# KiCad board MB1635_good_conversion.kicad_pcb (continued)
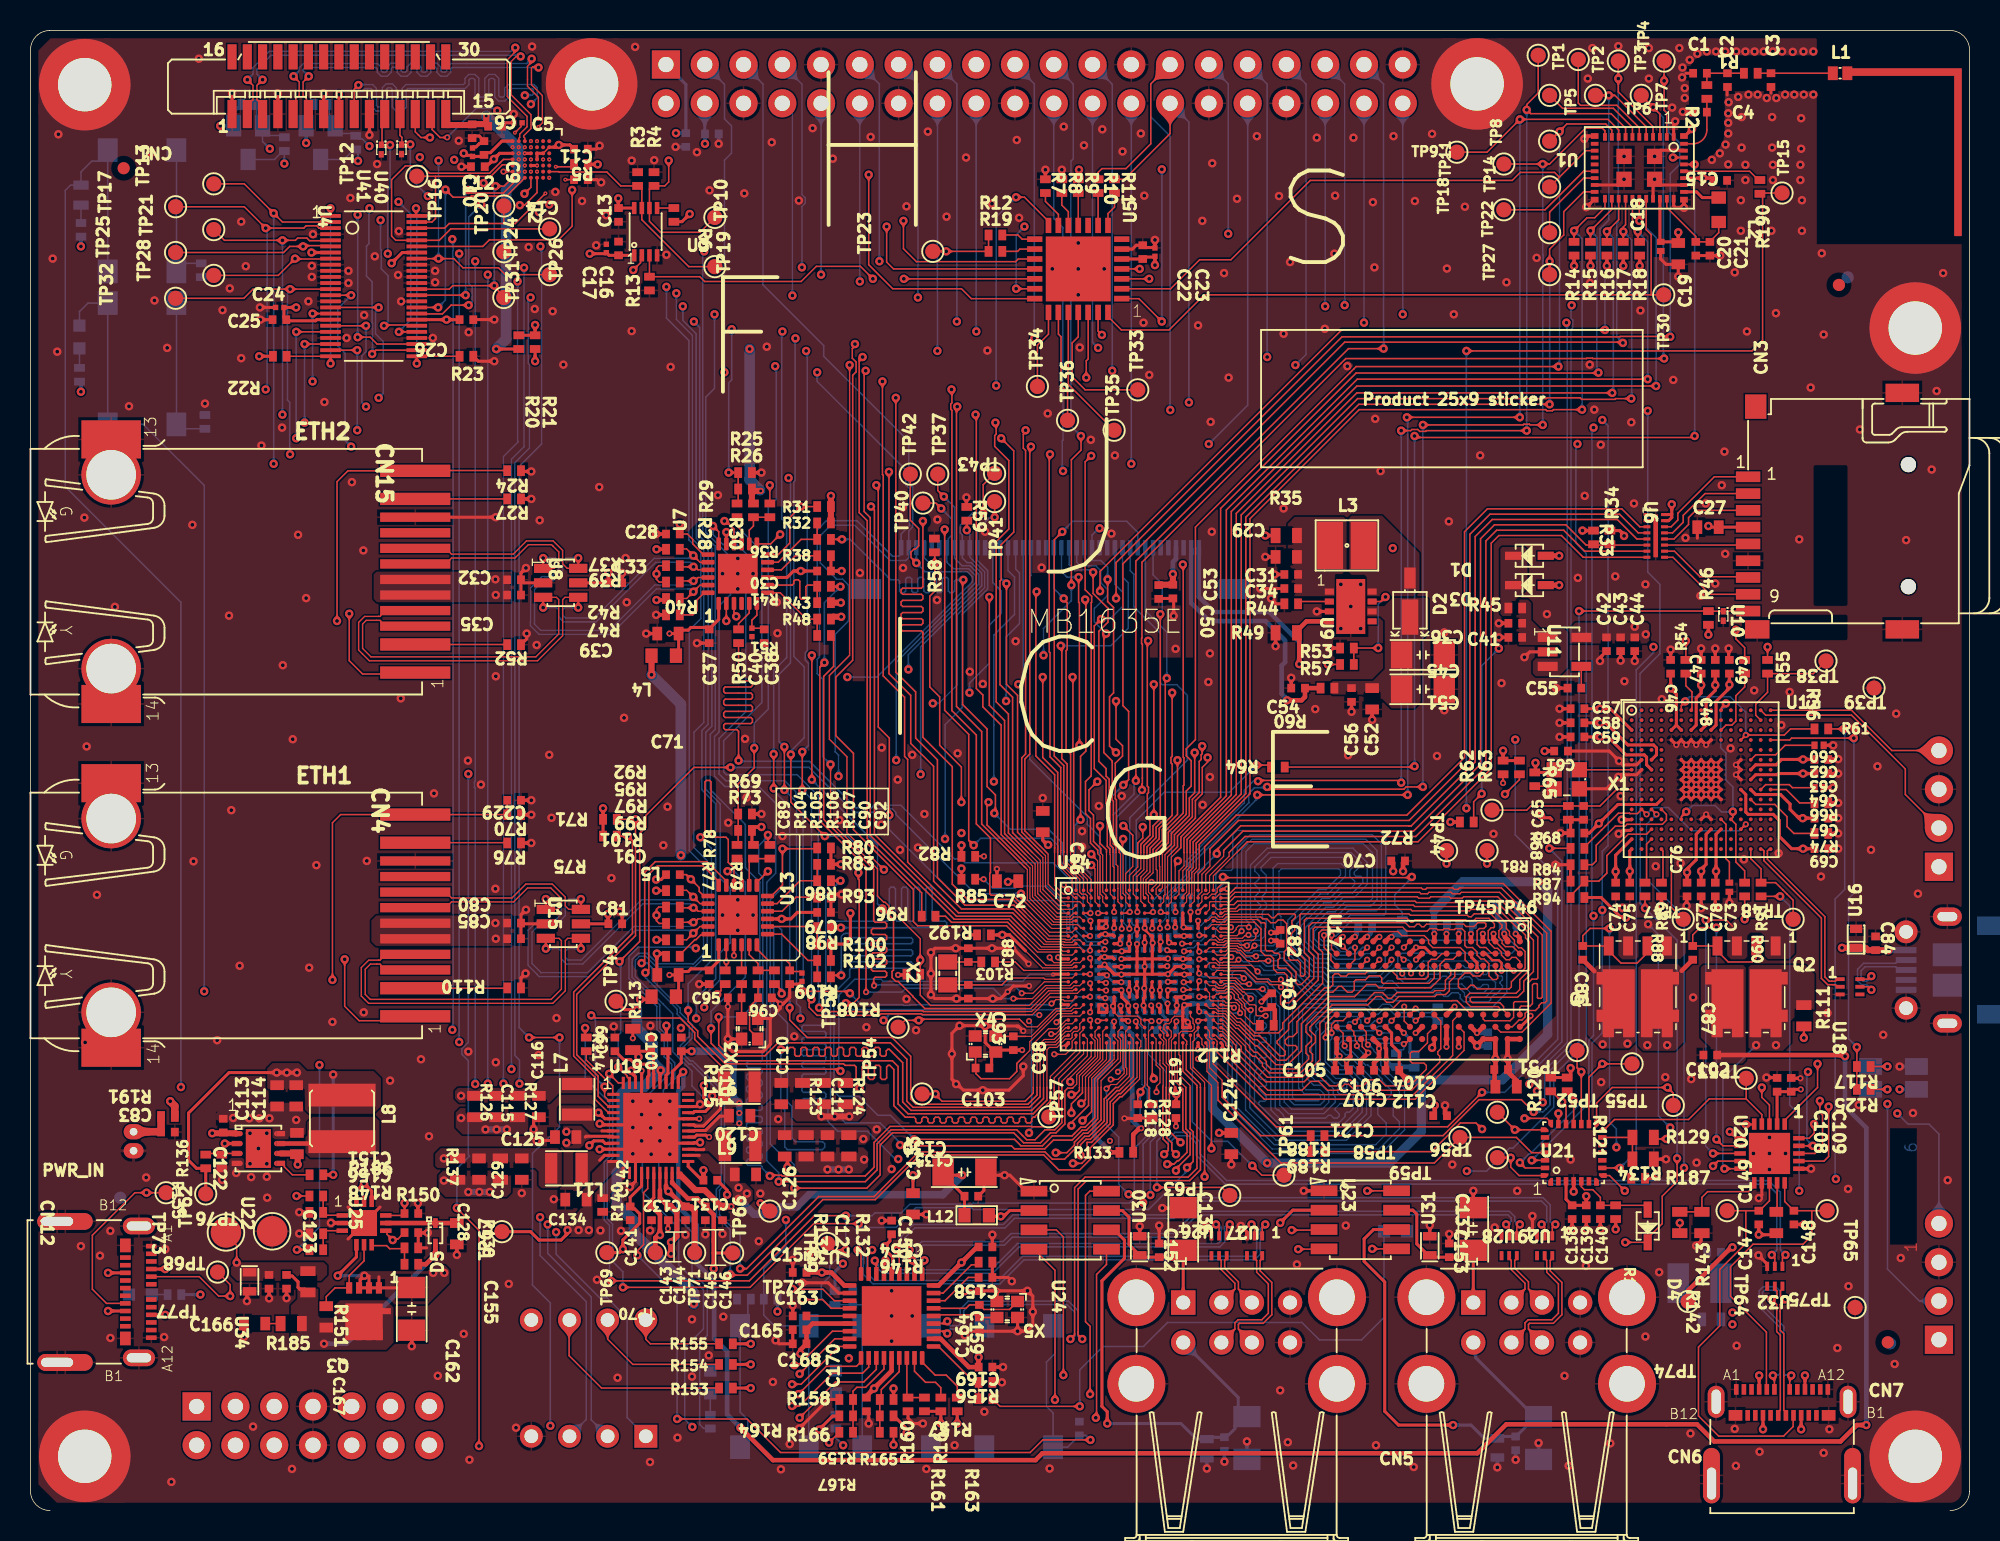
[diagram p0: board, top side]
## Placement (name value [footprint] x y rotation side) (continued)
TP22  Test Point  [_Subversion_Altium_Designer_Library_Trunk_MCD_PARTS_MISC.PcbLib_TP_SMD_1MM]  99.5 83.75 90 top
TP23  Test Point  [_Subversion_Altium_Designer_Library_Trunk_MCD_PARTS_MISC.PcbLib_TP_SMD_1MM]  59.1 82.53 90 top
TP24  Test Point  [_Subversion_Altium_Designer_Library_Trunk_MCD_PARTS_MISC.PcbLib_TP_SMD_1MM]  31 82.5 90 top
TP25  Test Point  [_Subversion_Altium_Designer_Library_Trunk_MCD_PARTS_MISC.PcbLib_TP_SMD_1MM]  9.5 82.45 90 top
TP26  Test Point  [_Subversion_Altium_Designer_Library_Trunk_MCD_PARTS_MISC.PcbLib_TP_SMD_1MM]  34 81 90 top
TP27  Test Point  [_Subversion_Altium_Designer_Library_Trunk_MCD_PARTS_MISC.PcbLib_TP_SMD_1MM]  99.5 81 90 top
TP28  Test Point  [_Subversion_Altium_Designer_Library_Trunk_MCD_PARTS_MISC.PcbLib_TP_SMD_1MM]  12 80.95 90 top
TP29  Test Point  [TP_SMD_1MM]  52.2 17.5 270 top
TP30  Test Point  [_Subversion_Altium_Designer_Library_Trunk_MCD_PARTS_MISC.PcbLib_TP_SMD_1MM]  106.97 79.68 90 top
TP31  Test Point  [_Subversion_Altium_Designer_Library_Trunk_MCD_PARTS_MISC.PcbLib_TP_SMD_1MM]  31 79.5 90 top
TP32  Test Point  [_Subversion_Altium_Designer_Library_Trunk_MCD_PARTS_MISC.PcbLib_TP_SMD_1MM]  9.5 79.45 90 top
TP33  Test Point  [_Subversion_Altium_Designer_Library_Trunk_MCD_PARTS_MISC.PcbLib_TP_SMD_1MM]  72.52 73.45 90 top
TP34  Test Point  [_Subversion_Altium_Designer_Library_Trunk_MCD_PARTS_MISC.PcbLib_TP_SMD_1MM]  65.95 73.68 90 top
TP35  Test Point  [_Subversion_Altium_Designer_Library_Trunk_MCD_PARTS_MISC.PcbLib_TP_SMD_1MM]  70.98 70.8 90 top
TP36  Test Point  [_Subversion_Altium_Designer_Library_Trunk_MCD_PARTS_MISC.PcbLib_TP_SMD_1MM]  67.92 71.45 90 top
TP37  Test Point  [_Subversion_Altium_Designer_Library_Trunk_MCD_PARTS_MISC.PcbLib_TP_SMD_1MM]  59.42 67.93 90 top
TP38  Test Point  [_Subversion_Altium_Designer_Library_Trunk_MCD_PARTS_MISC.PcbLib_TP_SMD_1MM]  117.6 55.68 180 top
TP39  Test Point  [_Subversion_Altium_Designer_Library_Trunk_MCD_PARTS_MISC.PcbLib_TP_SMD_1MM]  120.75 53.9 180 top
TP40  Test Point  [_Subversion_Altium_Designer_Library_Trunk_MCD_PARTS_MISC.PcbLib_TP_SMD_1MM]  58.45 66.03 90 top
TP41  Test Point  [_Subversion_Altium_Designer_Library_Trunk_MCD_PARTS_MISC.PcbLib_TP_SMD_1MM]  63.15 66.13 90 top
TP42  Test Point  [_Subversion_Altium_Designer_Library_Trunk_MCD_PARTS_MISC.PcbLib_TP_SMD_1MM]  57.62 67.93 90 top
TP43  Test Point  [_Subversion_Altium_Designer_Library_Trunk_MCD_PARTS_MISC.PcbLib_TP_SMD_1MM]  63.15 67.98 180 top
TP44  Test Point  [TP_SMD_1MM]  95.72 45.9 270 top
TP45  Test Point  [_Subversion_Altium_Designer_Library_Trunk_MCD_PARTS_database.DbLib/MCD_PARTS$_TP_SMD_1MM]  92.75 43.25 0 top
TP46  Test Point  [_Subversion_Altium_Designer_Library_Trunk_MCD_PARTS_database.DbLib/MCD_PARTS$_TP_SMD_1MM]  95.4 43.25 0 top
TP47  Test Point  [_Subversion_Altium_Designer_Library_Trunk_MCD_PARTS_MISC.PcbLib_TP_SMD_1MM]  108.25 38.75 180 top
TP48  Test Point  [_Subversion_Altium_Designer_Library_Trunk_MCD_PARTS_MISC.PcbLib_TP_SMD_1MM]  115.45 38.75 180 top
TP49  Test Point  [_Subversion_Altium_Designer_Library_Trunk_MCD_PARTS_MISC.PcbLib_TP_SMD_1MM]  38.35 33.38 90 top
TP50  Test Point  [TP_SMD_1MM]  56.83 31.68 90 top
TP51  Test Point  [_Subversion_Altium_Designer_Library_Trunk_MCD_PARTS_MISC.PcbLib_TP_SMD_1MM]  101.3 30.15 180 top
TP52  Test Point  [_Subversion_Altium_Designer_Library_Trunk_MCD_PARTS_MISC.PcbLib_TP_SMD_1MM]  104.9 29.28 180 top
TP53  Test Point  [_Subversion_Altium_Designer_Library_Trunk_MCD_PARTS_MISC.PcbLib_TP_SMD_1MM]  112.37 28.33 180 top
TP54  Test Point  [_Subversion_Altium_Designer_Library_Trunk_MCD_PARTS_MISC.PcbLib_TP_SMD_1MM]  58.4 27.3 90 top
TP55  Test Point  [_Subversion_Altium_Designer_Library_Trunk_MCD_PARTS_MISC.PcbLib_TP_SMD_1MM]  107.6 26.55 180 top
TP56  Test Point  [_Subversion_Altium_Designer_Library_Trunk_MCD_PARTS_MISC.PcbLib_TP_SMD_1MM]  96.08 26.1 180 top
TP57  Test Point  [_Subversion_Altium_Designer_Library_Trunk_MCD_PARTS_MISC.PcbLib_TP_SMD_1MM]  66.7 25.8 90 top
TP58  Test Point  [_Subversion_Altium_Designer_Library_Trunk_MCD_PARTS_MISC.PcbLib_TP_SMD_1MM]  93.63 24.45 180 top
TP59  Test Point  [_Subversion_Altium_Designer_Library_Trunk_MCD_PARTS_MISC.PcbLib_TP_SMD_1MM]  96.08 23.13 180 top
TP61  Test Point  [_Subversion_Altium_Designer_Library_Trunk_MCD_PARTS_MISC.PcbLib_TP_SMD_1MM]  82.1 21.98 90 top
TP62  Test Point  [_Subversion_Altium_Designer_Library_Trunk_MCD_PARTS_MISC.PcbLib_TP_SMD_1MM]  11.47 20.75 90 top
TP63  Test Point  [_Subversion_Altium_Designer_Library_Trunk_MCD_PARTS_MISC.PcbLib_TP_SMD_1MM]  78.55 20.65 180 top
TP64  Test Point  [_Subversion_Altium_Designer_Library_Trunk_MCD_PARTS_MISC.PcbLib_TP_SMD_1MM]  111.12 19.65 270 top
TP65  Test Point  [_Subversion_Altium_Designer_Library_Trunk_MCD_PARTS_MISC.PcbLib_TP_SMD_1MM]  117.68 19.65 270 top
TP66  Test Point  [_Subversion_Altium_Designer_Library_Trunk_MCD_PARTS_MISC.PcbLib_TP_SMD_1MM]  48.42 19.63 90 top
TP67  Test Point  [_Subversion_Altium_Designer_Library_Trunk_MCD_PARTS_MISC.PcbLib_TP_SMD_1MM]  30.88 18.28 90 top
TP68  Test Point  [_Subversion_Altium_Designer_Library_Trunk_MCD_PARTS_database.DbLib/MCD_PARTS$_TP_SMD_2MM]  12.8 18.23 180 top
TP69  Test Point  [_Subversion_Altium_Designer_Library_Trunk_MCD_PARTS_MISC.PcbLib_TP_SMD_1MM]  37.75 16.9 90 top
TP70  Test Point  [_Subversion_Altium_Designer_Library_Trunk_MCD_PARTS_MISC.PcbLib_TP_SMD_1MM]  40.92 16.9 180 top
TP71  Test Point  [_Subversion_Altium_Designer_Library_Trunk_MCD_PARTS_MISC.PcbLib_TP_SMD_1MM]  43.5 16.9 90 top
TP72  Test Point  [_Subversion_Altium_Designer_Library_Trunk_MCD_PARTS_MISC.PcbLib_TP_SMD_1MM]  45.99 16.88 0 top
TP73  Test Point  [_Subversion_Altium_Designer_Library_Trunk_MCD_PARTS_database.DbLib/MCD_PARTS$_TP_SMD_1MM]  8.88 20.83 270 top
TP74  Test Point  [_Subversion_Altium_Designer_Library_Trunk_MCD_PARTS_MISC.PcbLib_TP_SMD_1MM]  108.58 13.7 180 top
TP75  Test Point  [_Subversion_Altium_Designer_Library_Trunk_MCD_PARTS_MISC.PcbLib_TP_SMD_1MM]  119.51 13.3 180 top
TP76  Test Point  [_Subversion_Altium_Designer_Library_Trunk_MCD_PARTS_database.DbLib/MCD_PARTS$_TP_SMD_2MM]  15.82 18.3 180 top
TP77  Test Point  [_Subversion_Altium_Designer_Library_Trunk_MCD_PARTS_database.DbLib/MCD_PARTS$_TP_SMD_1MM]  12.25 15.63 180 top
TR1  BSN20  [_Subversion_Altium_Designer_Library_Trunk_MCD_PARTS_IC.PcbLib_MOS_SOT23#2]  19 89.65 0 bottom
TR2  BSN20  [_Subversion_Altium_Designer_Library_Trunk_MCD_PARTS_IC.PcbLib_MOS_SOT23]  14.25 89.65 0 bottom
U1  LBEE5KL1DX-883  [_Subversion_Altium_Designer_Library_Trunk_MCD_PARTS_MISC.PcbLib_MOD_WLAN-BT_MURATA_LBEE5KL1DX-883]  105.37 88 180 top
U2  STMIPID02  [ICC_VFBGA49_3X3_P040]  32.78 88.55 270 top
U3  SN74LVC2T45DCUT  [_Subversion_Altium_Designer_Library_Trunk_MCD_PARTS_IC.PcbLib_ICC_VSSOP8_DCU_R-PDSO-G8_2X2P30_P050]  40.29 83.81 0 top
U4  SN74AVC16T245  [_Subversion_Altium_Designer_Library_Trunk_MCD_PARTS_database.DbLib/MCD_PARTS$_ICC_TVSOP48_9P8X6P6_P040]  22.48 80.25 270 top
U5  MCP23017  [_Subversion_Altium_Designer_Library_Trunk_MCD_PARTS_database.DbLib_ICC_QFN28-EPAD_6X6_P065]  68.62 81.38 90 top
U6  EMIF06-MSD02N16  [_Subversion_Altium_Designer_Library_Trunk_MCD_PARTS_DIODE.PcbLib_ESD_UQFN16L-EPAD_3P5X1P2_P040]  106.45 63.88 270 top
U7  LAN8742A-CZ-TR  [_Subversion_Altium_Designer_Library_Trunk_MCD_PARTS_IC.PcbLib_ICC_VQFN24-EPAD_4X4_P050#2]  46.33 61.4 90 top
U8  USBLC6-4SC6  [_Subversion_Altium_Designer_Library_Trunk_MCD_PARTS_DIODE.PcbLib_ESD_SOT23-6L#2]  34.72 60.8 270 top
U9  STLD40DPUR  [_Subversion_Altium_Designer_Library_Trunk_MCD_PARTS_IC.PcbLib_ICC_QFN8-EPAD_3X3_P065]  86.47 59.25 270 top
U10  ESD-TRANSIL  [_Subversion_Altium_Designer_Library_Trunk_MCD_PARTS_DIODE.PcbLib_ESD_ST0201]  110.87 58.63 270 top
U11  LD3985M33R  [_Subversion_Altium_Designer_Library_Trunk_MCD_PARTS_IC.PcbLib_REG_SOT23-5L]  100.47 56.28 270 top
U12  ST-LINKV3E  [_Subversion_Altium_Designer_Library_Trunk_MCD_PARTS_IC.PcbLib_ICC_UFBGA201_176+25_10X10_P065]  109.42 47.9 0 top
U13  LAN8742A-CZ-TR  [_Subversion_Altium_Designer_Library_Trunk_MCD_PARTS_IC.PcbLib_ICC_VQFN24-EPAD_4X4_P050]  46.33 39.03 90 top
U14  STM32MP135FAF7  [ICC_TFBGA320_11X11_STM32MP135FA7_P050_H1P20]  72.97 35.65 0 top
U15  USBLC6-4SC6  [_Subversion_Altium_Designer_Library_Trunk_MCD_PARTS_DIODE.PcbLib_ESD_SOT23-6L]  34.9 38.45 270 top
U16  ESD-TRANSIL  [_Subversion_Altium_Designer_Library_Trunk_MCD_PARTS_DIODE.PcbLib_ESD_QFN2_1P6X1_P125]  119.58 37.5 90 top
U17  NT5CC256M16ER-EK  [_Subversion_Altium_Designer_Library_Trunk_MCD_PARTS_database.DbLib/MCD_PARTS$_ICC_VFBGA96_9x13_P080]  91.55 34.1 270 top
U18  ECMF02-2AMX6  [_Subversion_Altium_Designer_Library_Trunk_MCD_PARTS_DIODE.PcbLib_ESD_QFN-6L_1P7X1P5_P050]  119.18 34.33 270 top
U19  STPMU1  [_Subversion_Altium_Designer_Library_MCD_PARTS_IC.PcbLib_ICC_WFQFN44-EPAD_5X6_P040]  40.62 25.08 0 top
U20  TCPP03-M20  [_Subversion_Altium_Designer_Library_Trunk_MCD_PARTS_IC.PcbLib_ICC_QFN20-EPAD_4X4_P050]  113.9 23.4 270 top
U21  STM32G071G8U6N  [_Subversion_Altium_Designer_Library_Trunk_MCD_PARTS_IC.PcbLib_ICC_UFQFPN28_4X4_P050]  101.08 23.45 0 top
U22  ST1S31PUR  [_Subversion_Altium_Designer_Library_Trunk_MCD_PARTS_IC.PcbLib_ICC_VFDFPN8-EPAD_3X3_P065]  14.92 23.73 270 top
U23  STMPS2252MTR  [_Subversion_Altium_Designer_Library_Trunk_MCD_PARTS_IC.PcbLib_ICC_SO8_5X4_P127]  87.1 19.05 270 top
U24  STMPS2252MTR  [_Subversion_Altium_Designer_Library_Trunk_MCD_PARTS_IC.PcbLib_ICC_SO8_5X4_P127]  68.1 19.03 270 top
U25  TCPP01-M12  [ICC_QFN12L-EPAD_3X3_P050]  21.84 18.84 270 top
U26  ECMF02-2AMX6  [_Subversion_Altium_Designer_Library_Trunk_MCD_PARTS_DIODE.PcbLib_ESD_QFN-6L_1P7X1P5_P050]  77.85 17.35 180 top
U27  ECMF02-2AMX6  [_Subversion_Altium_Designer_Library_Trunk_MCD_PARTS_DIODE.PcbLib_ESD_QFN-6L_1P7X1P5_P050]  80.17 17.35 180 top
U28  ECMF02-2AMX6  [_Subversion_Altium_Designer_Library_Trunk_MCD_PARTS_DIODE.PcbLib_ESD_QFN-6L_1P7X1P5_P050]  96.85 17.35 180 top
U29  ECMF02-2AMX6  [_Subversion_Altium_Designer_Library_Trunk_MCD_PARTS_DIODE.PcbLib_ESD_QFN-6L_1P7X1P5_P050]  99.18 17.35 180 top
U30  ESD-TRANSIL  [_Subversion_Altium_Designer_Library_Trunk_MCD_PARTS_DIODE.PcbLib_ESD_QFN1610_2N_1K_2A]  72.65 17.35 90 top
U31  ESD-TRANSIL  [_Subversion_Altium_Designer_Library_Trunk_MCD_PARTS_DIODE.PcbLib_ESD_QFN1610_2N_1K_2A]  91.65 17.35 90 top
U32  ECMF02-2AMX6  [_Subversion_Altium_Designer_Library_Trunk_MCD_PARTS_DIODE.PcbLib_ESD_QFN-6L_1P7X1P5_P050]  114.25 15.35 180 top
U33  USB2514B-AEZC  [_Subversion_Altium_Designer_Library_Trunk_MCD_PARTS_IC.PcbLib_ICC_QFN36-EPAD_6X6_P050]  56.4 12.75 180 top
U34  ESD-TRANSIL  [ESD_QFN1610_2N_1K_2A]  14.34 14.99 270 top
U35  RK043FN78H-CT661C  [LCD_DRAWING_ROCKTEK_RK043FN78H-CT661C]  66.78 64.84 180 bottom
U36  ESD-TRANSIL  [_Subversion_Altium_Designer_Library_Trunk_MCD_PARTS_DIODE.PcbLib_ESD_QFN1610_2N_1K_2A]  110.1 12.52 180 bottom
U37  ESD-TRANSIL  [_Subversion_Altium_Designer_Library_Trunk_MCD_PARTS_DIODE.PcbLib_ESD_ST0201]  54.69 13.94 90 bottom
U38  ESD-TRANSIL  [_Subversion_Altium_Designer_Library_Trunk_MCD_PARTS_DIODE.PcbLib_ESD_QFN1610_2N_1K_2A]  96.08 4.1 270 bottom
U39  ESD-TRANSIL  [_Subversion_Altium_Designer_Library_Trunk_MCD_PARTS_DIODE.PcbLib_ESD_QFN1610_2N_1K_2A]  77.05 4.05 270 bottom
U40  ESD-TRANSIL  [ESD_ST0201]  24.3 89.21 270 top
U41  ESD-TRANSIL  [ESD_ST0201]  22.97 89.2 270 top
X1  OSCILLATOR_4_PINS  [_Subversion_Altium_Designer_Library_Trunk_MCD_PARTS_CRYSTAL_OSC.PcbLib_OSC_NDK_NZ2520SB_4P]  100.62 47.93 0 top
X2  XTAL_2_PINS  [CRY_NX2012SA_2P]  60.08 35.2 270 top
X3  XTAL_4_PINS  [_Subversion_Altium_Designer_Library_Trunk_MCD_PARTS_CRYSTAL_OSC.PcbLib_CRY_NX2016SA_4P]  47.1 31.58 90 top
X4  XTAL_4_PINS  [CRY_NX2016SA_4P]  62.55 30.58 0 top
X5  XTAL_4_PINS  [_Subversion_Altium_Designer_Library_Trunk_MCD_PARTS_CRYSTAL_OSC.PcbLib_CRY_NX2016SA_4P]  63.97 13.18 180 top

## Footprints (pads in the part's own frame, mm; a bottom-side part is the same pattern mirrored in y, then rotated)
_Subversion_Altium_Designer_Library_MCD_PARTS_CAPACITOR.PcbLib_C0603
  rect 0.64x0.89 smd: 1(-0.7,0) 2(0.7,0)
_Subversion_Altium_Designer_Library_MCD_PARTS_IC.PcbLib_ICC_WFQFN44-EPAD_5X6_P040
  rect 0.8x0.2 smd: 1(-2.45,2.2) 2(-2.45,1.8) 3(-2.45,1.4) 4(-2.45,1) 5(-2.45,0.6) 6(-2.45,0.2) 7(-2.45,-0.2) 8(-2.45,-0.6) 9(-2.45,-1) 10(-2.45,-1.4) 11(-2.45,-1.8) 12(-2.45,-2.2) 23(2.45,-2.2) 24(2.45,-1.8) 25(2.45,-1.4) 26(2.45,-1) 27(2.45,-0.6) 28(2.45,-0.2) 29(2.45,0.2) 30(2.45,0.6) 31(2.45,1) 32(2.45,1.4) 33(2.45,1.8) 34(2.45,2.2)
  rect 0.2x0.8 smd: 13(-1.8,-2.95) 14(-1.4,-2.95) 15(-1,-2.95) 16(-0.6,-2.95) 17(-0.2,-2.95) 18(0.2,-2.95) 19(0.6,-2.95) 20(1,-2.95) 21(1.4,-2.95) 22(1.8,-2.95) 35(1.8,2.95) 36(1.4,2.95) 37(1,2.95) 38(0.6,2.95) 39(0.2,2.95) 40(-0.2,2.95) 41(-0.6,2.95) 42(-1,2.95) 43(-1.4,2.95) 44(-1.8,2.95)
  rect 3.6x4.6 smd: ep(0,0)
_Subversion_Altium_Designer_Library_Trunk_MCD_PARTS_CAPACITOR.PcbLib_C0201_MURATA_GRM033_H0P3
  rect 0.35x0.35 smd: 1(-0.275,0) 2(0.275,0)
_Subversion_Altium_Designer_Library_Trunk_MCD_PARTS_CAPACITOR.PcbLib_C0402
  rect 0.51x0.56 smd: 1(-0.45,0) 2(0.45,0)
_Subversion_Altium_Designer_Library_Trunk_MCD_PARTS_CAPACITOR.PcbLib_C0402#2
  rect 0.51x0.56 smd: 1(-0.45,0) 2(0.45,0)
_Subversion_Altium_Designer_Library_Trunk_MCD_PARTS_CAPACITOR.PcbLib_C0402#3
  rect 0.51x0.56 smd: 1(-0.45,0) 2(0.45,0)
_Subversion_Altium_Designer_Library_Trunk_MCD_PARTS_CAPACITOR.PcbLib_C0603
  rect 0.64x0.89 smd: 1(-0.7,0) 2(0.7,0)
_Subversion_Altium_Designer_Library_Trunk_MCD_PARTS_CAPACITOR.PcbLib_C1206_H1P6
  rect 1.4x1.78 smd: 1(-1.4,0) 2(1.4,0)
_Subversion_Altium_Designer_Library_Trunk_MCD_PARTS_CAPACITOR.PcbLib_C1206_H1P25
  rect 1.4x1.78 smd: 1(-1.4,0) 2(1.4,0)
_Subversion_Altium_Designer_Library_Trunk_MCD_PARTS_CONNECTOR_OTHER.PcbLib_CON_DUAL-USB-TYPE-A_CONEXCON_5600-3081
  round 1.6 hole 0.92: B1(-3.5,13.01) B2(-1,13.01) B3(1,13.01) B4(3.5,13.01) T2(-1,15.63) T3(1,15.63) T4(3.5,15.63)
  round 3.8 hole 2.33: CH1(6.57,10.3) CH2(-6.57,10.3) CH3(-6.57,15.98) CH4(6.57,15.98)
  rect 1.6x1.6 hole 0.92: T1(-3.5,15.63)
_Subversion_Altium_Designer_Library_Trunk_MCD_PARTS_CONNECTOR_OTHER.PcbLib_CON_MOLEX_53047-0210
  oval 1x1.3 hole 0.5: 1(-0.625,0) 2(0.625,0)
_Subversion_Altium_Designer_Library_Trunk_MCD_PARTS_CONNECTOR_OTHER.PcbLib_CON_TE-CONNECTIVITY_1-1734248-5
  rect 0.6x1.85 smd: 1(7,1.875) 2(6,1.875) 3(5,1.875) 4(4,1.875) 5(3,1.875) 6(2,1.875) 7(1,1.875) 8(0,1.875) 9(-1,1.875) 10(-2,1.875) 11(-3,1.875) 12(-4,1.875) 13(-5,1.875) 14(-6,1.875) 15(-7,1.875)
  rect 0.6x1.65 smd: 16(7,-1.875) 17(6,-1.875) 18(5,-1.875) 19(4,-1.875) 20(3,-1.875) 21(2,-1.875) 22(1,-1.875) 23(0,-1.875) 24(-1,-1.875) 25(-2,-1.875) 26(-3,-1.875) 27(-4,-1.875) 28(-5,-1.875) 29(-6,-1.875) 30(-7,-1.875)
_Subversion_Altium_Designer_Library_Trunk_MCD_PARTS_CONNECTOR_OTHER.PcbLib_CON_USBMICROB_MOLEX_105017-0001_H2P90
  rect 0.4x1.35 smd: 1(-1.3,4.15) 2(-0.65,4.15) 3(0,4.15) 4(0.65,4.15) 5(1.3,4.15)
  round 1.5 hole 0.9: 6(-2.5,4.15) 7(2.5,4.15)
  oval 1.2x1.9 hole 0.6x1.3: 8(3.5,1.45) 9(-3.5,1.45)
  rect 1.5x1.9 smd: 10(-1,1.45) 11(1,1.45)
_Subversion_Altium_Designer_Library_Trunk_MCD_PARTS_CONNECTOR_SAMTEC.PcbLib_CON_SAMTEC_TSW-120-07-G-D
  rect 1.85x1.85 hole 1: 1(-24.13,-1.27)
  round 1.85 hole 1: 2(-24.13,1.27) 3(-21.59,-1.27) 4(-21.59,1.27) 5(-19.05,-1.27) 6(-19.05,1.27) 7(-16.51,-1.27) 8(-16.51,1.27) 9(-13.97,-1.27) 10(-13.97,1.27) 11(-11.43,-1.27) 12(-11.43,1.27) 13(-8.89,-1.27) 14(-8.89,1.27) 15(-6.35,-1.27) 16(-6.35,1.27) 17(-3.81,-1.27) 18(-3.81,1.27) 19(-1.27,-1.27) 20(-1.27,1.27) 21(1.27,-1.27) 22(1.27,1.27) 23(3.81,-1.27) 24(3.81,1.27) 25(6.35,-1.27) 26(6.35,1.27) 27(8.89,-1.27) 28(8.89,1.27) 29(11.43,-1.27) 30(11.43,1.27) 31(13.97,-1.27) 32(13.97,1.27) 33(16.51,-1.27) 34(16.51,1.27) 35(19.05,-1.27) 36(19.05,1.27) 37(21.59,-1.27) 38(21.59,1.27) 39(24.13,-1.27) 40(24.13,1.27)
_Subversion_Altium_Designer_Library_Trunk_MCD_PARTS_CRYSTAL_OSC.PcbLib_CRY_NX2016SA_4P
  rect 0.85x0.75 smd: 1(-0.675,-0.525) 2(0.675,-0.525) 3(0.675,0.525) 4(-0.675,0.525)
_Subversion_Altium_Designer_Library_Trunk_MCD_PARTS_CRYSTAL_OSC.PcbLib_OSC_NDK_NZ2520SB_4P
  rect 1x1 smd: 1(-0.825,-0.625) 2(0.825,-0.625) 3(0.825,0.625) 4(-0.825,0.625)
_Subversion_Altium_Designer_Library_Trunk_MCD_PARTS_database.DbLib/MCD_PARTS$_C0201_H0P5
  rect 0.4x0.5 smd: 1(-0.3,0) 2(0.3,0)
_Subversion_Altium_Designer_Library_Trunk_MCD_PARTS_database.DbLib/MCD_PARTS$_C0201_MURATA_GRM033_H0P3
  rect 0.35x0.35 smd: 1(-0.275,0) 2(0.275,0)
_Subversion_Altium_Designer_Library_Trunk_MCD_PARTS_database.DbLib/MCD_PARTS$_C0402
  rect 0.51x0.56 smd: 1(-0.45,0) 2(0.45,0)
_Subversion_Altium_Designer_Library_Trunk_MCD_PARTS_database.DbLib/MCD_PARTS$_C0402#2
  rect 0.51x0.56 smd: 1(-0.45,0) 2(0.45,0)
_Subversion_Altium_Designer_Library_Trunk_MCD_PARTS_database.DbLib/MCD_PARTS$_C0402#3
  rect 0.51x0.56 smd: 1(-0.45,0) 2(0.45,0)
_Subversion_Altium_Designer_Library_Trunk_MCD_PARTS_database.DbLib/MCD_PARTS$_C0603
  rect 0.64x0.89 smd: 1(-0.7,0) 2(0.7,0)
_Subversion_Altium_Designer_Library_Trunk_MCD_PARTS_database.DbLib/MCD_PARTS$_C1206_H1P6
  rect 1.4x1.78 smd: 1(-1.4,0) 2(1.4,0)
_Subversion_Altium_Designer_Library_Trunk_MCD_PARTS_database.DbLib/MCD_PARTS$_C1210
  rect 1.4x2.6 smd: 1(-1.4,0) 2(1.4,0)
_Subversion_Altium_Designer_Library_Trunk_MCD_PARTS_database.DbLib/MCD_PARTS$_CON_MICROSD_ATOM_MR01A-01211
  round 1 hole 1 unplated: (-4.95,4) (3.05,4)
  rect 0.7x1.6 smd: 1(2.25,14.5) 2(1.15,14.5) 3(0.05,14.5) 4(-1.05,14.5) 5(-2.15,14.5) 6(-3.25,14.5) 7(-4.35,14.5) 8(-5.45,14.5) 9(-6.55,14.5)
  rect 1.2x1.6 smd: 10(-7.75,13.9)
  rect 1.2x2.2 smd: 11(-7.75,4.4) 12(7.75,4.4)
  rect 1.6x1.4 smd: 13(6.85,14)
_Subversion_Altium_Designer_Library_Trunk_MCD_PARTS_database.DbLib/MCD_PARTS$_CON_SAMTEC_TSW-104-07-G-S
  rect 1.85x1.85 hole 1: 1(-3.81,0)
  round 1.85 hole 1: 2(-1.27,0) 3(1.27,0) 4(3.81,0)
_Subversion_Altium_Designer_Library_Trunk_MCD_PARTS_database.DbLib/MCD_PARTS$_ICC_TVSOP48_9P8X6P6_P040
  rect 0.25x1.35 smd: 1(-4.6,-2.825) 2(-4.2,-2.825) 3(-3.8,-2.825) 4(-3.4,-2.825) 5(-3,-2.825) 6(-2.6,-2.825) 7(-2.2,-2.825) 8(-1.8,-2.825) 9(-1.4,-2.825) 10(-1,-2.825) 11(-0.6,-2.825) 12(-0.2,-2.825) 13(0.2,-2.825) 14(0.6,-2.825) 15(1,-2.825) 16(1.4,-2.825) 17(1.8,-2.825) 18(2.2,-2.825) 19(2.6,-2.825) 20(3,-2.825) 21(3.4,-2.825) 22(3.8,-2.825) 23(4.2,-2.825) 24(4.6,-2.825) 25(4.6,2.825) 26(4.2,2.825) 27(3.8,2.825) 28(3.4,2.825) 29(3,2.825) 30(2.6,2.825) 31(2.2,2.825) 32(1.8,2.825) 33(1.4,2.825) 34(1,2.825) 35(0.6,2.825) 36(0.2,2.825) 37(-0.2,2.825) 38(-0.6,2.825) 39(-1,2.825) 40(-1.4,2.825) 41(-1.8,2.825) 42(-2.2,2.825) 43(-2.6,2.825) 44(-3,2.825) 45(-3.4,2.825) 46(-3.8,2.825) 47(-4.2,2.825) 48(-4.6,2.825)
_Subversion_Altium_Designer_Library_Trunk_MCD_PARTS_database.DbLib/MCD_PARTS$_ICC_VFBGA96_9x13_P080
  round 0.4 smd: A1(-3.2,6) A2(-2.4,6) A3(-1.6,6) A7(1.6,6) A8(2.4,6) A9(3.2,6) B1(-3.2,5.2) B2(-2.4,5.2) B3(-1.6,5.2) B7(1.6,5.2) B8(2.4,5.2) B9(3.2,5.2) C1(-3.2,4.4) C2(-2.4,4.4) C3(-1.6,4.4) C7(1.6,4.4) C8(2.4,4.4) C9(3.2,4.4) D1(-3.2,3.6) D2(-2.4,3.6) D3(-1.6,3.6) D7(1.6,3.6) D8(2.4,3.6) D9(3.2,3.6) E1(-3.2,2.8) E2(-2.4,2.8) E3(-1.6,2.8) E7(1.6,2.8) E8(2.4,2.8) E9(3.2,2.8) F1(-3.2,2) F2(-2.4,2) F3(-1.6,2) F7(1.6,2) F8(2.4,2) F9(3.2,2) G1(-3.2,1.2) G2(-2.4,1.2) G3(-1.6,1.2) G7(1.6,1.2) G8(2.4,1.2) G9(3.2,1.2) H1(-3.2,0.4) H2(-2.4,0.4) H3(-1.6,0.4) H7(1.6,0.4) H8(2.4,0.4) H9(3.2,0.4) J1(-3.2,-0.4) J2(-2.4,-0.4) J3(-1.6,-0.4) J7(1.6,-0.4) J8(2.4,-0.4) J9(3.2,-0.4) K1(-3.2,-1.2) K2(-2.4,-1.2) K3(-1.6,-1.2) K7(1.6,-1.2) K8(2.4,-1.2) K9(3.2,-1.2) L1(-3.2,-2) L2(-2.4,-2) L3(-1.6,-2) L7(1.6,-2) L8(2.4,-2) L9(3.2,-2) M1(-3.2,-2.8) M2(-2.4,-2.8) M3(-1.6,-2.8) M7(1.6,-2.8) M8(2.4,-2.8) M9(3.2,-2.8) N1(-3.2,-3.6) N2(-2.4,-3.6) N3(-1.6,-3.6) N7(1.6,-3.6) N8(2.4,-3.6) N9(3.2,-3.6) P1(-3.2,-4.4) P2(-2.4,-4.4) P3(-1.6,-4.4) P7(1.6,-4.4) P8(2.4,-4.4) P9(3.2,-4.4) R1(-3.2,-5.2) R2(-2.4,-5.2) R3(-1.6,-5.2) R7(1.6,-5.2) R8(2.4,-5.2) R9(3.2,-5.2) T1(-3.2,-6) T2(-2.4,-6) T3(-1.6,-6) T7(1.6,-6) T8(2.4,-6) T9(3.2,-6)
_Subversion_Altium_Designer_Library_Trunk_MCD_PARTS_database.DbLib/MCD_PARTS$_R0402
  rect 0.51x0.7 smd: 1(-0.45,0) 2(0.45,0)
_Subversion_Altium_Designer_Library_Trunk_MCD_PARTS_database.DbLib/MCD_PARTS$_R0402#2
  rect 0.51x0.7 smd: 1(-0.45,0) 2(0.45,0)
_Subversion_Altium_Designer_Library_Trunk_MCD_PARTS_database.DbLib/MCD_PARTS$_R0402#3
  rect 0.51x0.7 smd: 1(-0.45,0) 2(0.45,0)
_Subversion_Altium_Designer_Library_Trunk_MCD_PARTS_database.DbLib/MCD_PARTS$_R0603
  rect 0.64x1 smd: 1(-0.7,0) 2(0.7,0)
_Subversion_Altium_Designer_Library_Trunk_MCD_PARTS_database.DbLib/MCD_PARTS$_TP_SMD_1MM
  round 1 smd: 1(0,0)
_Subversion_Altium_Designer_Library_Trunk_MCD_PARTS_database.DbLib/MCD_PARTS$_TP_SMD_2MM
  round 2 smd: 1(0,0)
_Subversion_Altium_Designer_Library_Trunk_MCD_PARTS_database.DbLib_ICC_QFN28-EPAD_6X6_P065
  rect 0.37x1 smd: 1(-1.95,-2.85) 2(-1.3,-2.85) 3(-0.65,-2.85) 4(0,-2.85) 5(0.65,-2.85) 6(1.3,-2.85) 7(1.95,-2.85) 15(1.95,2.85) 16(1.3,2.85) 17(0.65,2.85) 18(0,2.85) 19(-0.65,2.85) 20(-1.3,2.85) 21(-1.95,2.85)
  rect 1x0.37 smd: 8(2.85,-1.95) 9(2.85,-1.3) 10(2.85,-0.65) 11(2.85,0) 12(2.85,0.65) 13(2.85,1.3) 14(2.85,1.95) 22(-2.85,1.95) 23(-2.85,1.3) 24(-2.85,0.65) 25(-2.85,0) 26(-2.85,-0.65) 27(-2.85,-1.3) 28(-2.85,-1.95)
  rect 4.25x4.25 smd: 29(0,0)
_Subversion_Altium_Designer_Library_Trunk_MCD_PARTS_DIODE.PcbLib_DIO_DO216-AA
  rect 1.38x0.75 smd: 1(1.515,0)
  rect 2.32x1.1 smd: 2(-1.045,0)
_Subversion_Altium_Designer_Library_Trunk_MCD_PARTS_DIODE.PcbLib_DIO_SOD323
  rect 1.06x0.54 smd: 1(-1.07,0) 2(1.07,0)
_Subversion_Altium_Designer_Library_Trunk_MCD_PARTS_DIODE.PcbLib_ESD_QFN2_1P6X1_P125
  rect 0.55x0.8 smd: 1(-0.625,0) 2(0.625,0)
_Subversion_Altium_Designer_Library_Trunk_MCD_PARTS_DIODE.PcbLib_ESD_QFN1610_2N_1K_2A
  rect 0.55x0.9 smd: 1(-0.625,0) 2(0.625,0)
_Subversion_Altium_Designer_Library_Trunk_MCD_PARTS_DIODE.PcbLib_ESD_QFN-6L_1P7X1P5_P050
  rect 0.25x0.6 smd: 1(-0.5,-0.65) 2(0,-0.65) 3(0.5,-0.65) 4(0.5,0.65) 5(0,0.65) 6(-0.5,0.65)
_Subversion_Altium_Designer_Library_Trunk_MCD_PARTS_DIODE.PcbLib_ESD_SOT23-6L
  rect 0.6x1.2 smd: 1(-0.95,-1.15) 2(0,-1.15) 3(0.95,-1.15) 4(0.95,1.15) 5(0,1.15) 6(-0.95,1.15)
_Subversion_Altium_Designer_Library_Trunk_MCD_PARTS_DIODE.PcbLib_ESD_SOT23-6L#2
  rect 0.6x1.2 smd: 1(-0.95,-1.15) 2(0,-1.15) 3(0.95,-1.15) 4(0.95,1.15) 5(0,1.15) 6(-0.95,1.15)
_Subversion_Altium_Designer_Library_Trunk_MCD_PARTS_DIODE.PcbLib_ESD_ST0201
  rect 0.425x0.33 smd: 1(-0.312,0) 2(0.312,0)
_Subversion_Altium_Designer_Library_Trunk_MCD_PARTS_DIODE.PcbLib_ESD_UQFN16L-EPAD_3P5X1P2_P040
  rect 0.2x0.45 smd: 1(-1.4,-0.575) 2(-1,-0.575) 3(-0.6,-0.575) 4(-0.2,-0.575) 5(0.2,-0.575) 6(0.6,-0.575) 7(1,-0.575) 8(1.4,-0.575) 9(1.4,0.575) 10(1,0.575) 11(0.6,0.575) 12(0.2,0.575) 13(-0.2,0.575) 14(-0.6,0.575) 15(-1,0.575) 16(-1.4,0.575)
  rect 2.8x0.3 smd: EP(0,0)
_Subversion_Altium_Designer_Library_Trunk_MCD_PARTS_DISPLAY.PcbLib_LED_0603_GREEN
  rect 0.8x0.8 smd: 1(-0.75,0) 2(0.75,0)
_Subversion_Altium_Designer_Library_Trunk_MCD_PARTS_DISPLAY.PcbLib_LED_0603_ORANGE_H0P4
  rect 0.8x0.8 smd: 1(-0.75,0) 2(0.75,0)
_Subversion_Altium_Designer_Library_Trunk_MCD_PARTS_DISPLAY.PcbLib_LED_0603_RED
  rect 0.8x0.8 smd: 1(-0.75,0) 2(0.75,0)
_Subversion_Altium_Designer_Library_Trunk_MCD_PARTS_DISPLAY.PcbLib_LED_0603_SMD-B_BLUE_H0P4
  rect 0.6x1 smd: 1(-0.65,0) 2(0.65,0)
_Subversion_Altium_Designer_Library_Trunk_MCD_PARTS_IC.PcbLib_ICC_QFN8-EPAD_3X3_P065
  rect 0.4x0.6 smd: 1(-0.975,-1.4) 2(-0.325,-1.4) 3(0.325,-1.4) 4(0.975,-1.4) 5(0.975,1.4) 6(0.325,1.4) 7(-0.325,1.4) 8(-0.975,1.4)
  rect 3.6x1.9 smd: 9(0,0)
_Subversion_Altium_Designer_Library_Trunk_MCD_PARTS_IC.PcbLib_ICC_QFN20-EPAD_4X4_P050
  rect 0.75x0.3 smd: 1(-1.925,1) 2(-1.925,0.5) 3(-1.925,0) 4(-1.925,-0.5) 5(-1.925,-1) 11(1.925,-1) 12(1.925,-0.5) 13(1.925,0) 14(1.925,0.5) 15(1.925,1)
  rect 0.3x0.75 smd: 6(-1,-1.925) 7(-0.5,-1.925) 8(0,-1.925) 9(0.5,-1.925) 10(1,-1.925) 16(1,1.925) 17(0.5,1.925) 18(0,1.925) 19(-0.5,1.925) 20(-1,1.925)
  rect 2.7x2.7 smd: 21(0,0)
_Subversion_Altium_Designer_Library_Trunk_MCD_PARTS_IC.PcbLib_ICC_QFN36-EPAD_6X6_P050
  rrect 0.3x0.9 smd: 1(-2,-2.75) 9(2,-2.75) 19(2,2.75) 27(-2,2.75)
  rect 0.3x0.9 smd: 2(-1.5,-2.75) 3(-1,-2.75) 4(-0.5,-2.75) 5(0,-2.75) 6(0.5,-2.75) 7(1,-2.75) 8(1.5,-2.75) 20(1.5,2.75) 21(1,2.75) 22(0.5,2.75) 23(0,2.75) 24(-0.5,2.75) 25(-1,2.75) 26(-1.5,2.75)
  rrect 0.9x0.3 smd: 10(2.75,-2) 18(2.75,2) 28(-2.75,2) 36(-2.75,-2)
  rect 0.9x0.3 smd: 11(2.75,-1.5) 12(2.75,-1) 13(2.75,-0.5) 14(2.75,0) 15(2.75,0.5) 16(2.75,1) 17(2.75,1.5) 29(-2.75,1.5) 30(-2.75,1) 31(-2.75,0.5) 32(-2.75,0) 33(-2.75,-0.5) 34(-2.75,-1) 35(-2.75,-1.5)
  rect 3.9x3.9 smd: 37(0,0)
_Subversion_Altium_Designer_Library_Trunk_MCD_PARTS_IC.PcbLib_ICC_SO8_5X4_P127
  rect 0.7x1.75 smd: 1(-1.905,-2.375) 2(-0.635,-2.375) 3(0.635,-2.375) 4(1.905,-2.375) 5(1.905,2.375) 6(0.635,2.375) 7(-0.635,2.375) 8(-1.905,2.375)
_Subversion_Altium_Designer_Library_Trunk_MCD_PARTS_IC.PcbLib_ICC_UFBGA201_176+25_10X10_P065
  round 0.25 smd: A1(-4.55,4.55) A2(-3.9,4.55) A3(-3.25,4.55) A4(-2.6,4.55) A5(-1.95,4.55) A6(-1.3,4.55) A7(-0.65,4.55) A8(0,4.55) A9(0.65,4.55) A10(1.3,4.55) A11(1.95,4.55) A12(2.6,4.55) A13(3.25,4.55) A14(3.9,4.55) A15(4.55,4.55) B1(-4.55,3.9) B2(-3.9,3.9) B3(-3.25,3.9) B4(-2.6,3.9) B5(-1.95,3.9) B6(-1.3,3.9) B7(-0.65,3.9) B8(0,3.9) B9(0.65,3.9) B10(1.3,3.9) B11(1.95,3.9) B12(2.6,3.9) B13(3.25,3.9) B14(3.9,3.9) B15(4.55,3.9) C1(-4.55,3.25) C2(-3.9,3.25) C3(-3.25,3.25) C4(-2.6,3.25) C5(-1.95,3.25) C6(-1.3,3.25) C7(-0.65,3.25) C8(0,3.25) C9(0.65,3.25) C10(1.3,3.25) C11(1.95,3.25) C12(2.6,3.25) C13(3.25,3.25) C14(3.9,3.25) C15(4.55,3.25) D1(-4.55,2.6) D2(-3.9,2.6) D3(-3.25,2.6) D4(-2.6,2.6) D5(-1.95,2.6) D6(-1.3,2.6) D7(-0.65,2.6) D8(0,2.6) D9(0.65,2.6) D10(1.3,2.6) D11(1.95,2.6) D12(2.6,2.6) D13(3.25,2.6) D14(3.9,2.6) D15(4.55,2.6) E1(-4.55,1.95) E2(-3.9,1.95) E3(-3.25,1.95) E4(-2.6,1.95) E12(2.6,1.95) E13(3.25,1.95) E14(3.9,1.95) E15(4.55,1.95) F1(-4.55,1.3) F2(-3.9,1.3) F3(-3.25,1.3) F4(-2.6,1.3) F6(-1.3,1.3) F7(-0.65,1.3) F8(0,1.3) F9(0.65,1.3) F10(1.3,1.3) F12(2.6,1.3) F13(3.25,1.3) F14(3.9,1.3) F15(4.55,1.3) G1(-4.55,0.65) G2(-3.9,0.65) G3(-3.25,0.65) G4(-2.6,0.65) G6(-1.3,0.65) G7(-0.65,0.65) G8(0,0.65) G9(0.65,0.65) G10(1.3,0.65) G12(2.6,0.65) G13(3.25,0.65) G14(3.9,0.65) G15(4.55,0.65) H1(-4.55,0) H2(-3.9,0) H3(-3.25,0) H4(-2.6,0) H6(-1.3,0) H7(-0.65,0) H8(0,0) H9(0.65,0) H10(1.3,0) H12(2.6,0) H13(3.25,0) H14(3.9,0) H15(4.55,0) J1(-4.55,-0.65) J2(-3.9,-0.65) J3(-3.25,-0.65) J4(-2.6,-0.65) J6(-1.3,-0.65) J7(-0.65,-0.65) J8(0,-0.65) J9(0.65,-0.65) J10(1.3,-0.65) J12(2.6,-0.65) J13(3.25,-0.65) J14(3.9,-0.65) J15(4.55,-0.65) K1(-4.55,-1.3) K2(-3.9,-1.3) K3(-3.25,-1.3) K4(-2.6,-1.3) K6(-1.3,-1.3) K7(-0.65,-1.3) K8(0,-1.3) K9(0.65,-1.3) K10(1.3,-1.3) K12(2.6,-1.3) K13(3.25,-1.3) K14(3.9,-1.3) K15(4.55,-1.3) L1(-4.55,-1.95) L2(-3.9,-1.95) L3(-3.25,-1.95) L4(-2.6,-1.95) L12(2.6,-1.95) L13(3.25,-1.95) L14(3.9,-1.95) L15(4.55,-1.95) M1(-4.55,-2.6) M2(-3.9,-2.6) M3(-3.25,-2.6) M4(-2.6,-2.6) M5(-1.95,-2.6) M6(-1.3,-2.6) M7(-0.65,-2.6) M8(0,-2.6) M9(0.65,-2.6) M10(1.3,-2.6) M11(1.95,-2.6) M12(2.6,-2.6) M13(3.25,-2.6) M14(3.9,-2.6) M15(4.55,-2.6) N1(-4.55,-3.25) N2(-3.9,-3.25) N3(-3.25,-3.25) N4(-2.6,-3.25) N5(-1.95,-3.25) N6(-1.3,-3.25) N7(-0.65,-3.25) N8(0,-3.25) N9(0.65,-3.25) N10(1.3,-3.25) N11(1.95,-3.25) N12(2.6,-3.25) N13(3.25,-3.25) N14(3.9,-3.25) N15(4.55,-3.25) P1(-4.55,-3.9) P2(-3.9,-3.9) P3(-3.25,-3.9) P4(-2.6,-3.9) P5(-1.95,-3.9) P6(-1.3,-3.9) P7(-0.65,-3.9) P8(0,-3.9) P9(0.65,-3.9) P10(1.3,-3.9) P11(1.95,-3.9) P12(2.6,-3.9) P13(3.25,-3.9) P14(3.9,-3.9) P15(4.55,-3.9) R1(-4.55,-4.55) R2(-3.9,-4.55) R3(-3.25,-4.55) R4(-2.6,-4.55) R5(-1.95,-4.55) R6(-1.3,-4.55) R7(-0.65,-4.55) R8(0,-4.55) R9(0.65,-4.55) R10(1.3,-4.55) R11(1.95,-4.55) R12(2.6,-4.55) R13(3.25,-4.55) R14(3.9,-4.55) R15(4.55,-4.55)